# Altium PCB 1XGSH00.PcbDoc
Units mil, origin at the board's own origin, x right, y up, seen from the top; angles counter-clockwise.
Board outline 1653.54 x 2519.69 mil, 4 copper layers (Top Layer, GND, PWR, Bottom Layer), stack 30.634 mil thick; 145 components, 118 nets, 539 pads, 112 vias.
Unrouted connection lines stored in the file: 148.
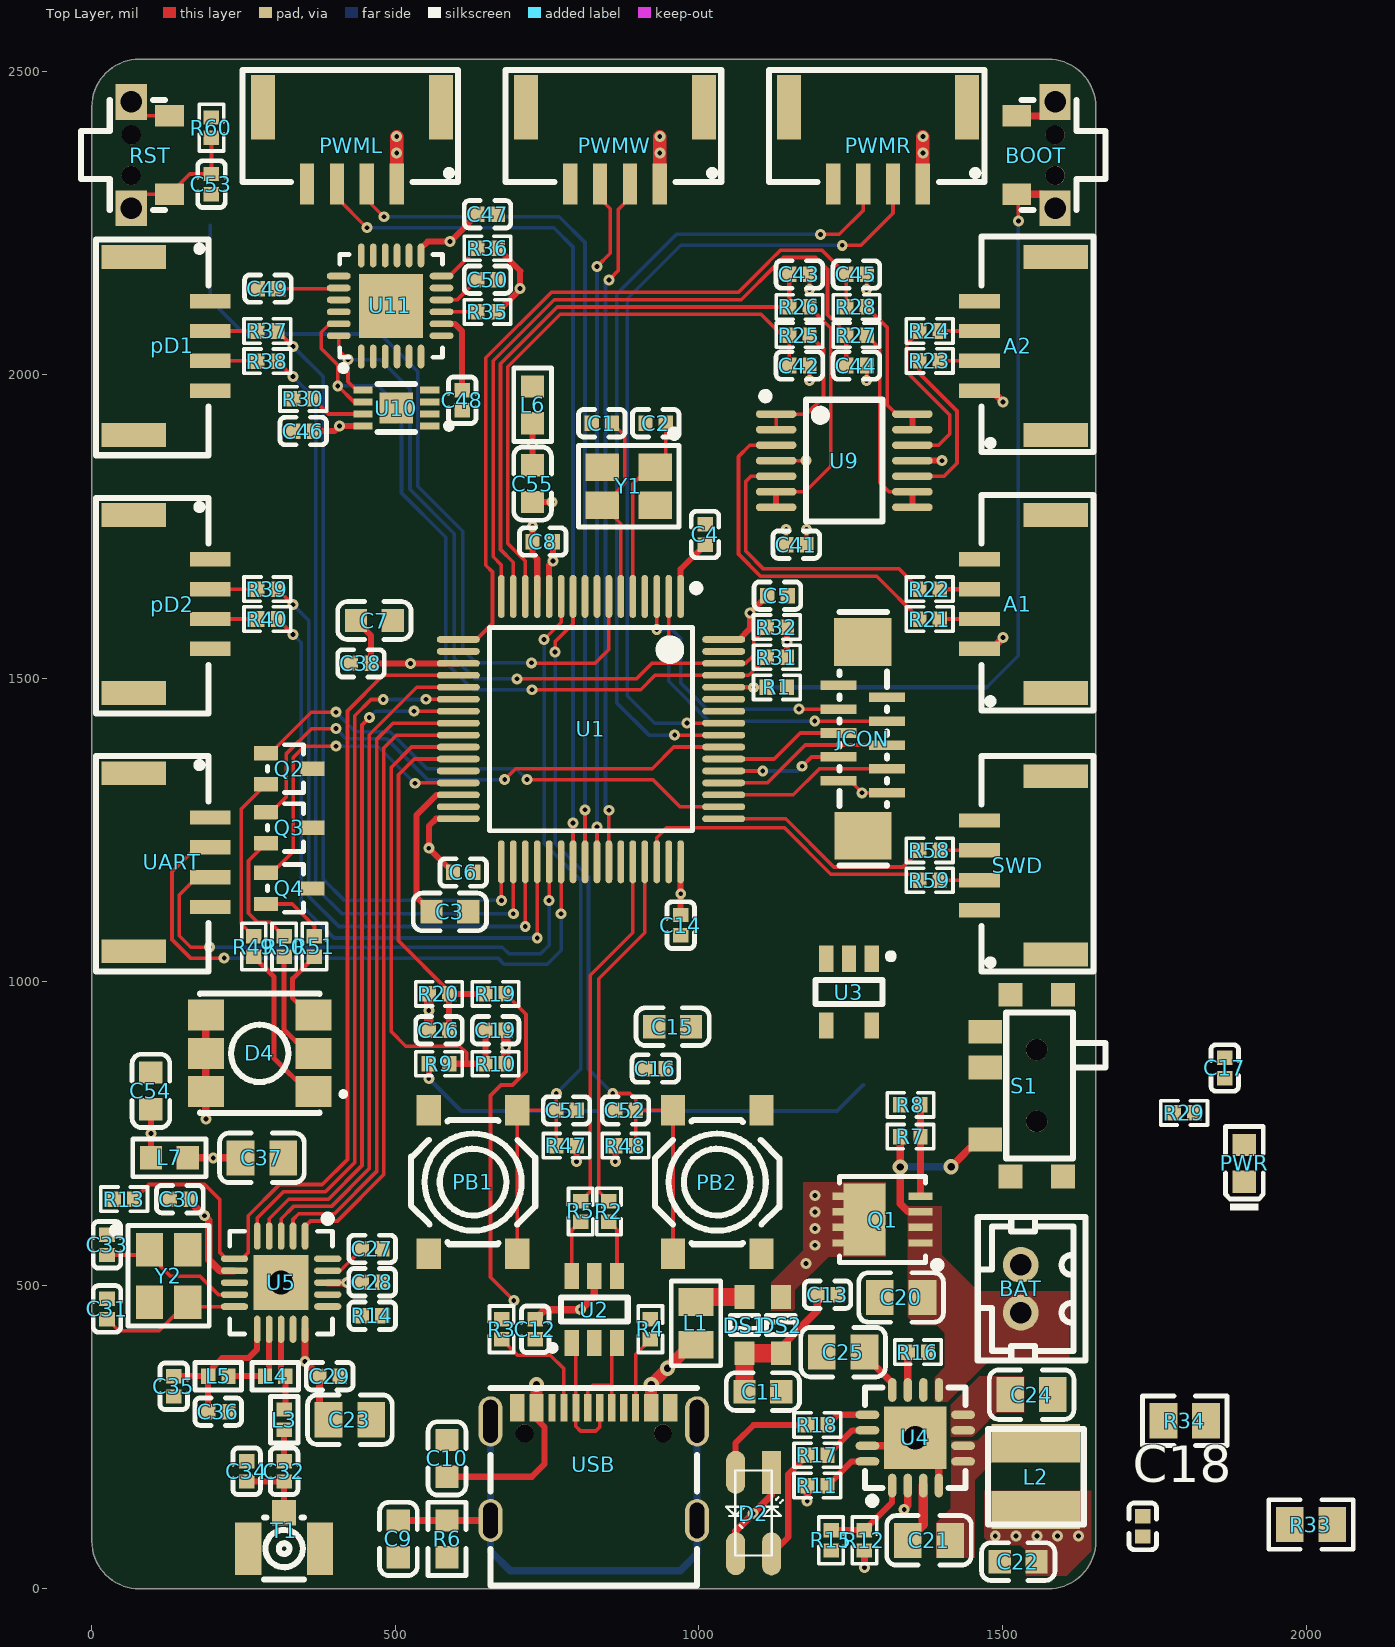
[diagram p0: Top Layer view]
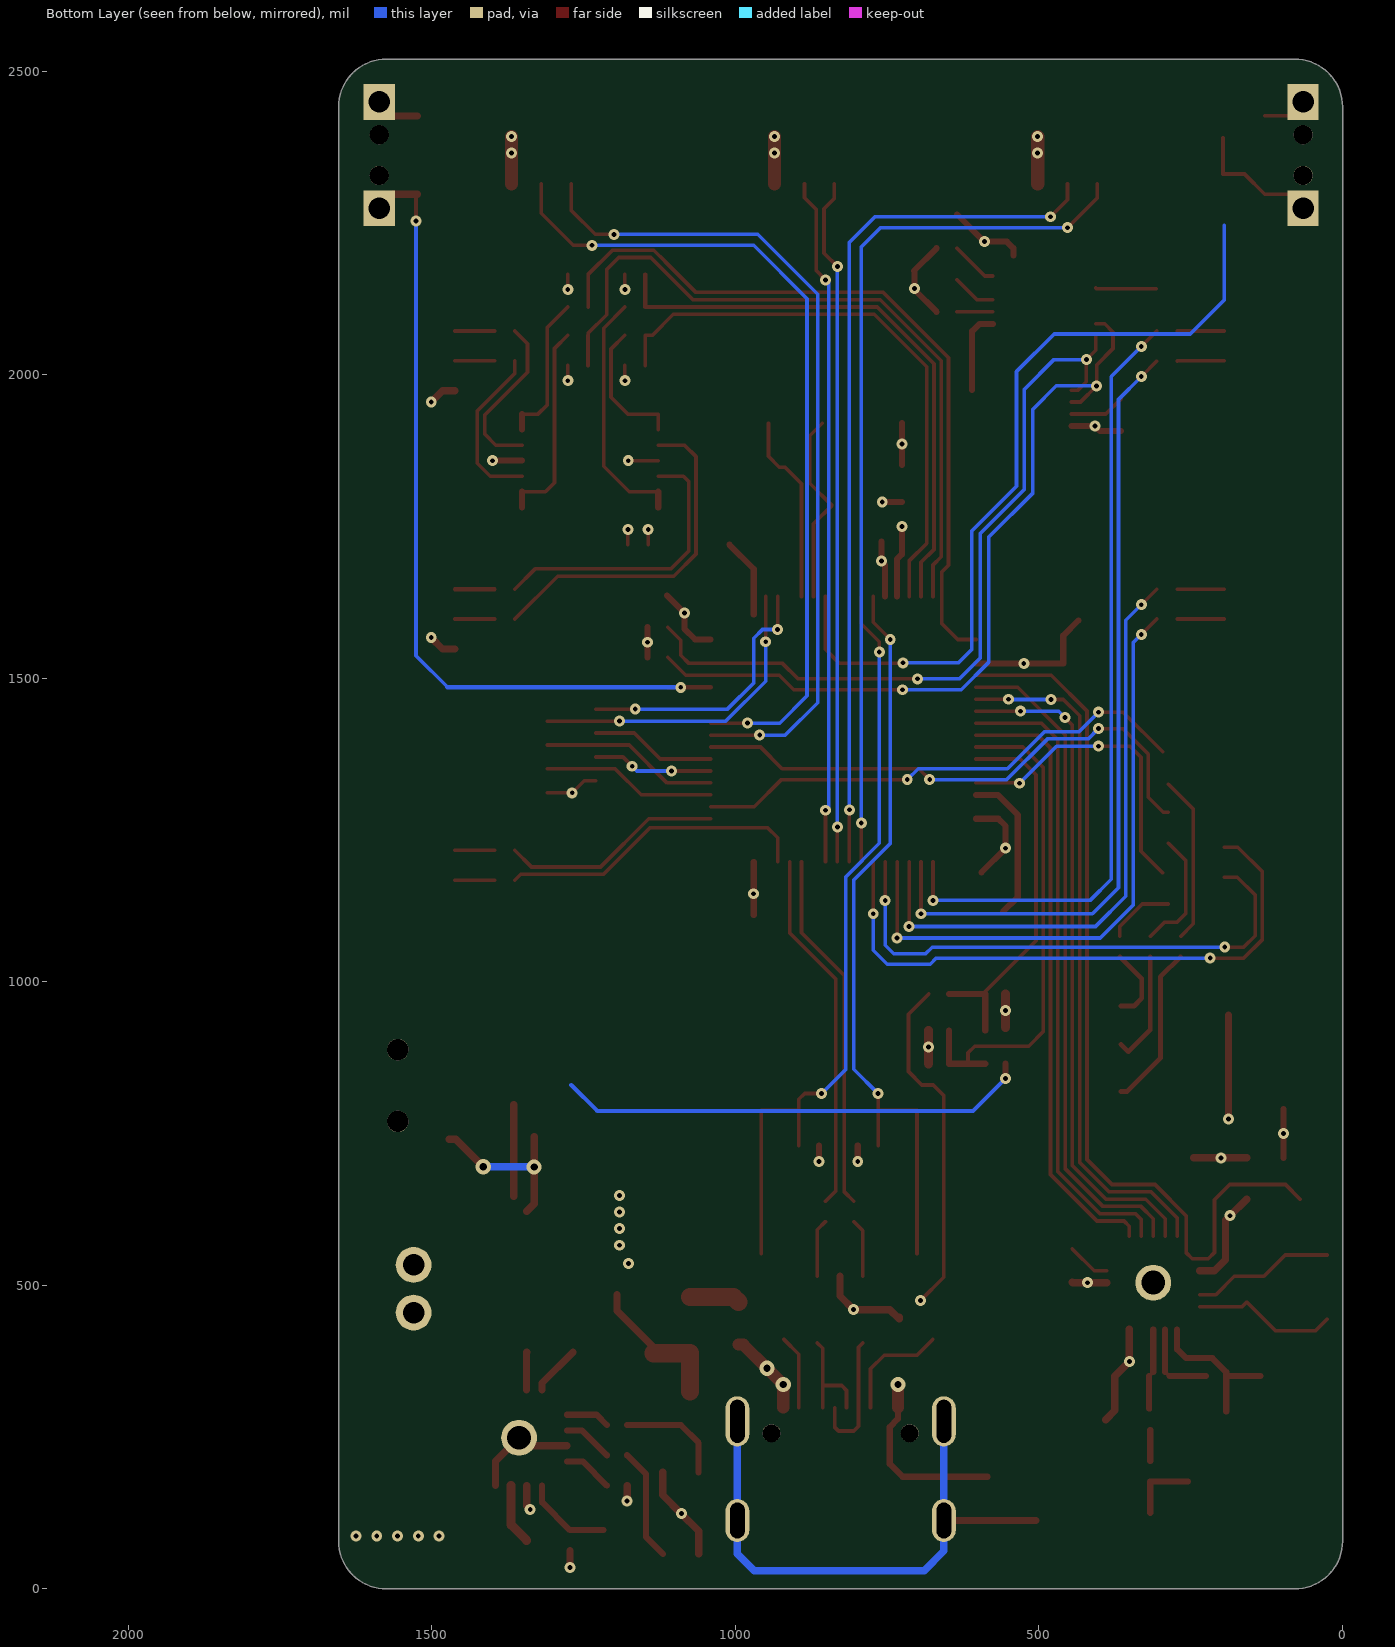
[diagram p1: Bottom Layer view, seen from below]
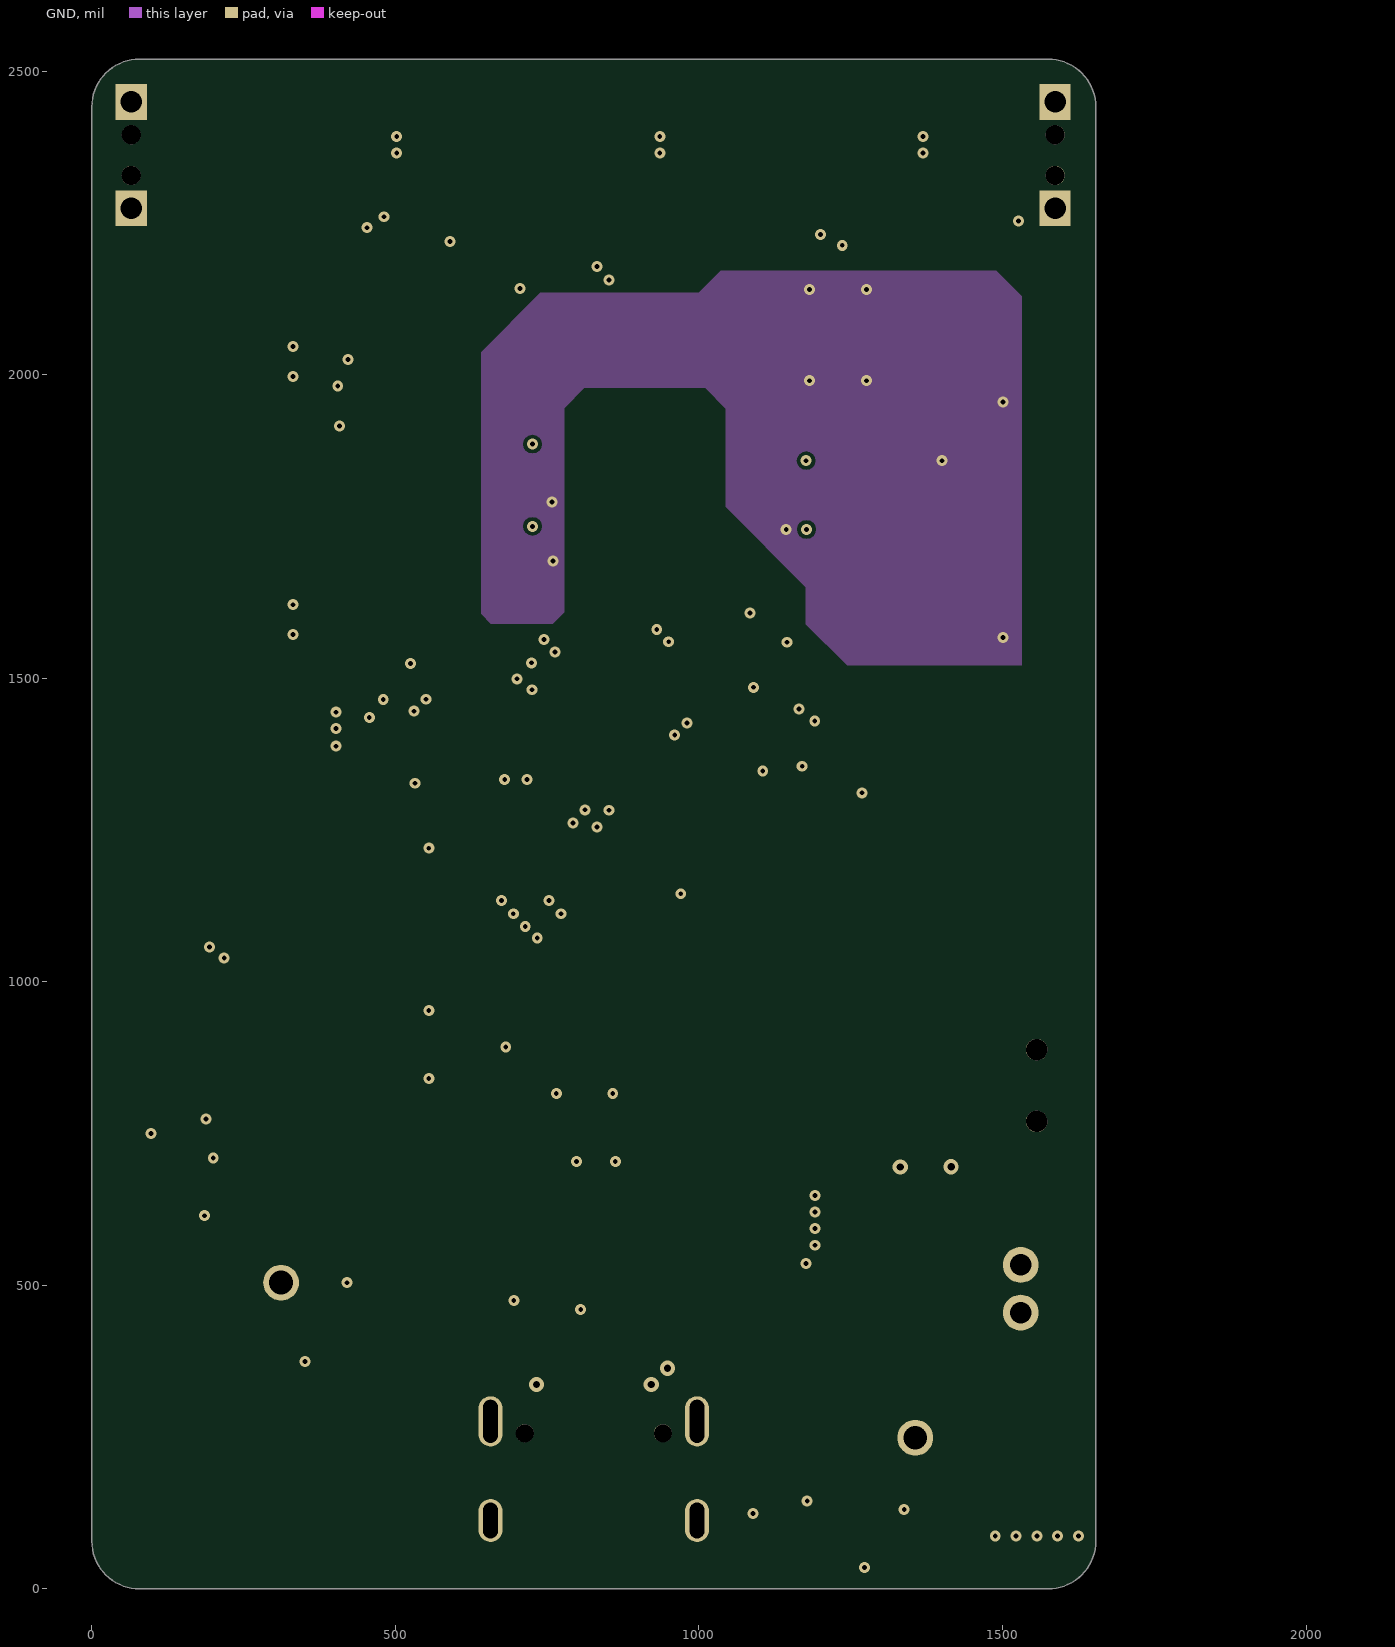
[diagram p2: GND]
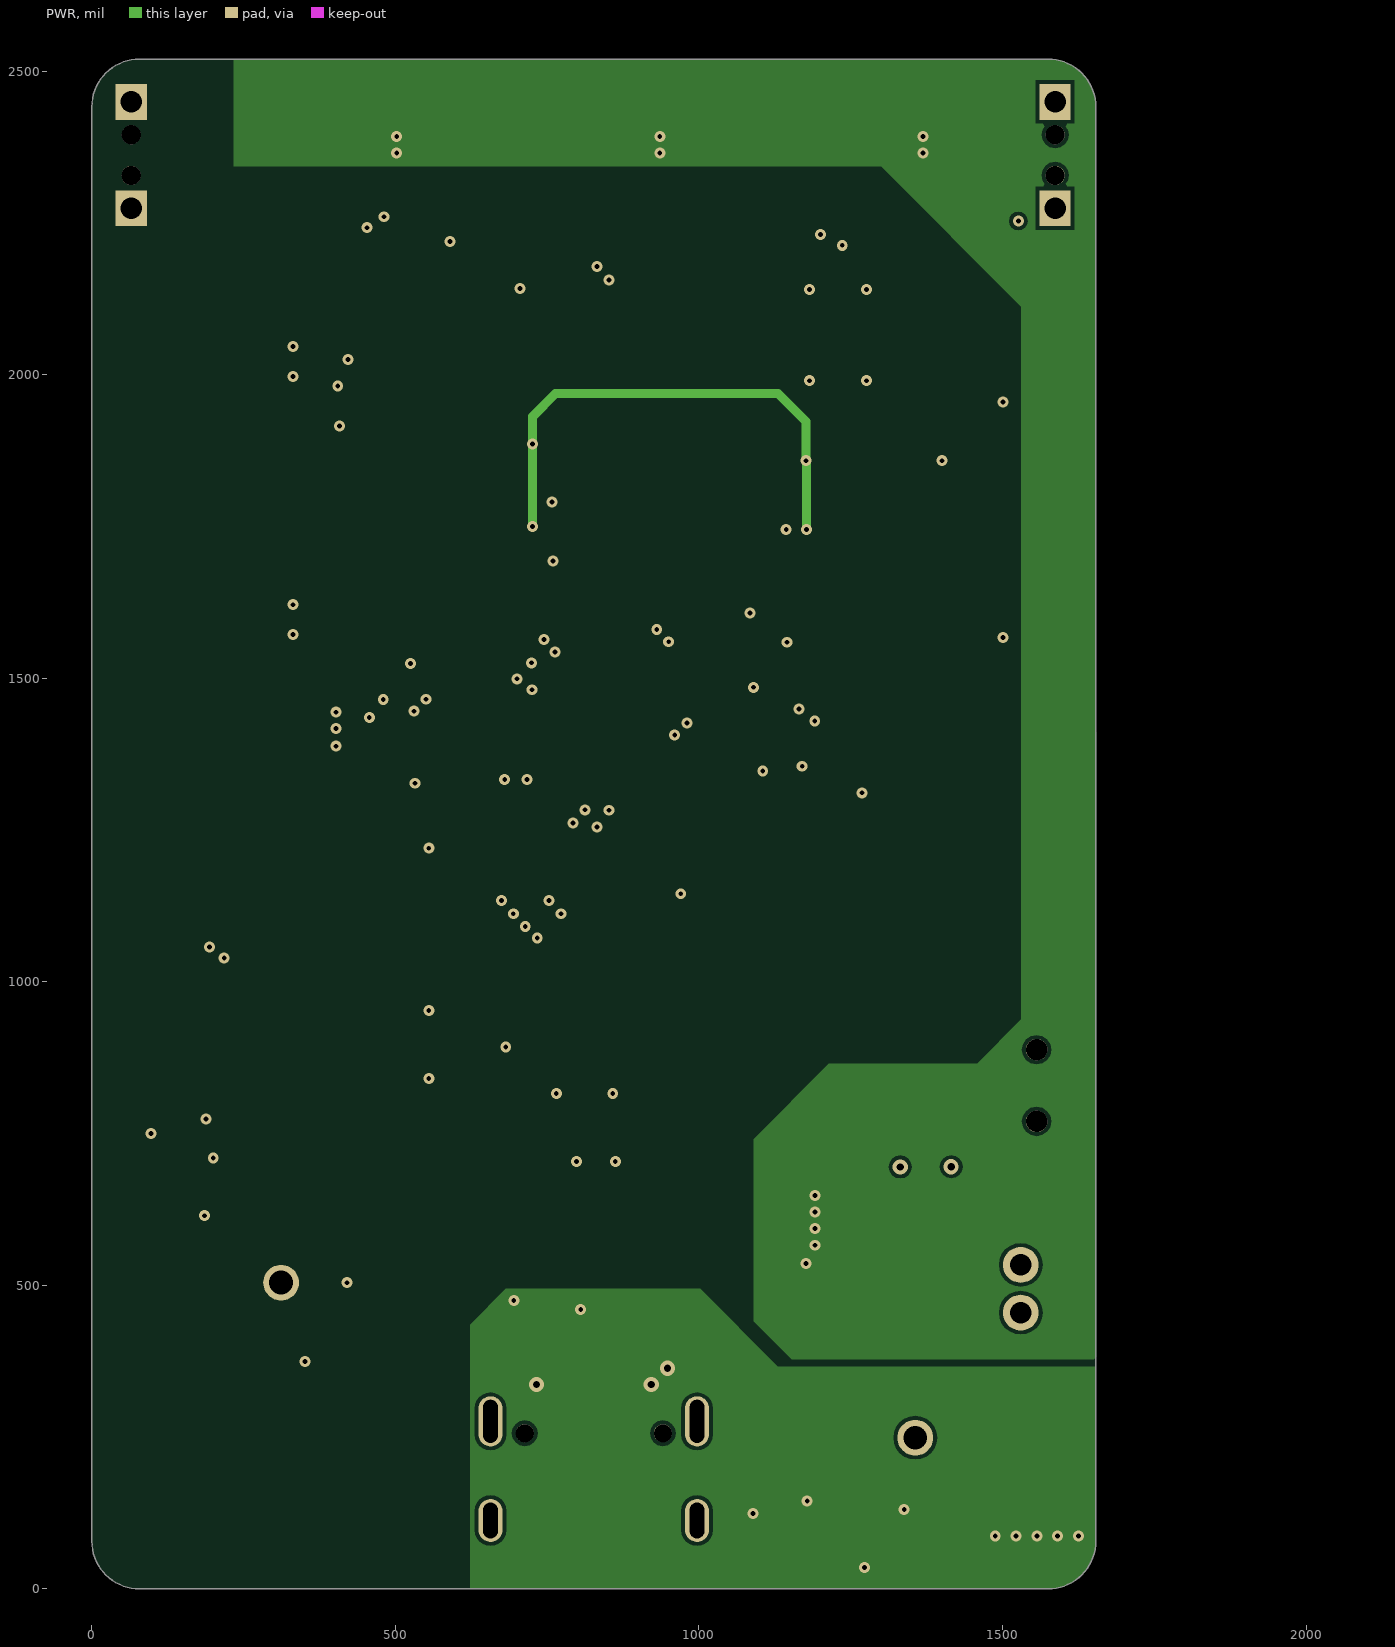
[diagram p3: PWR]
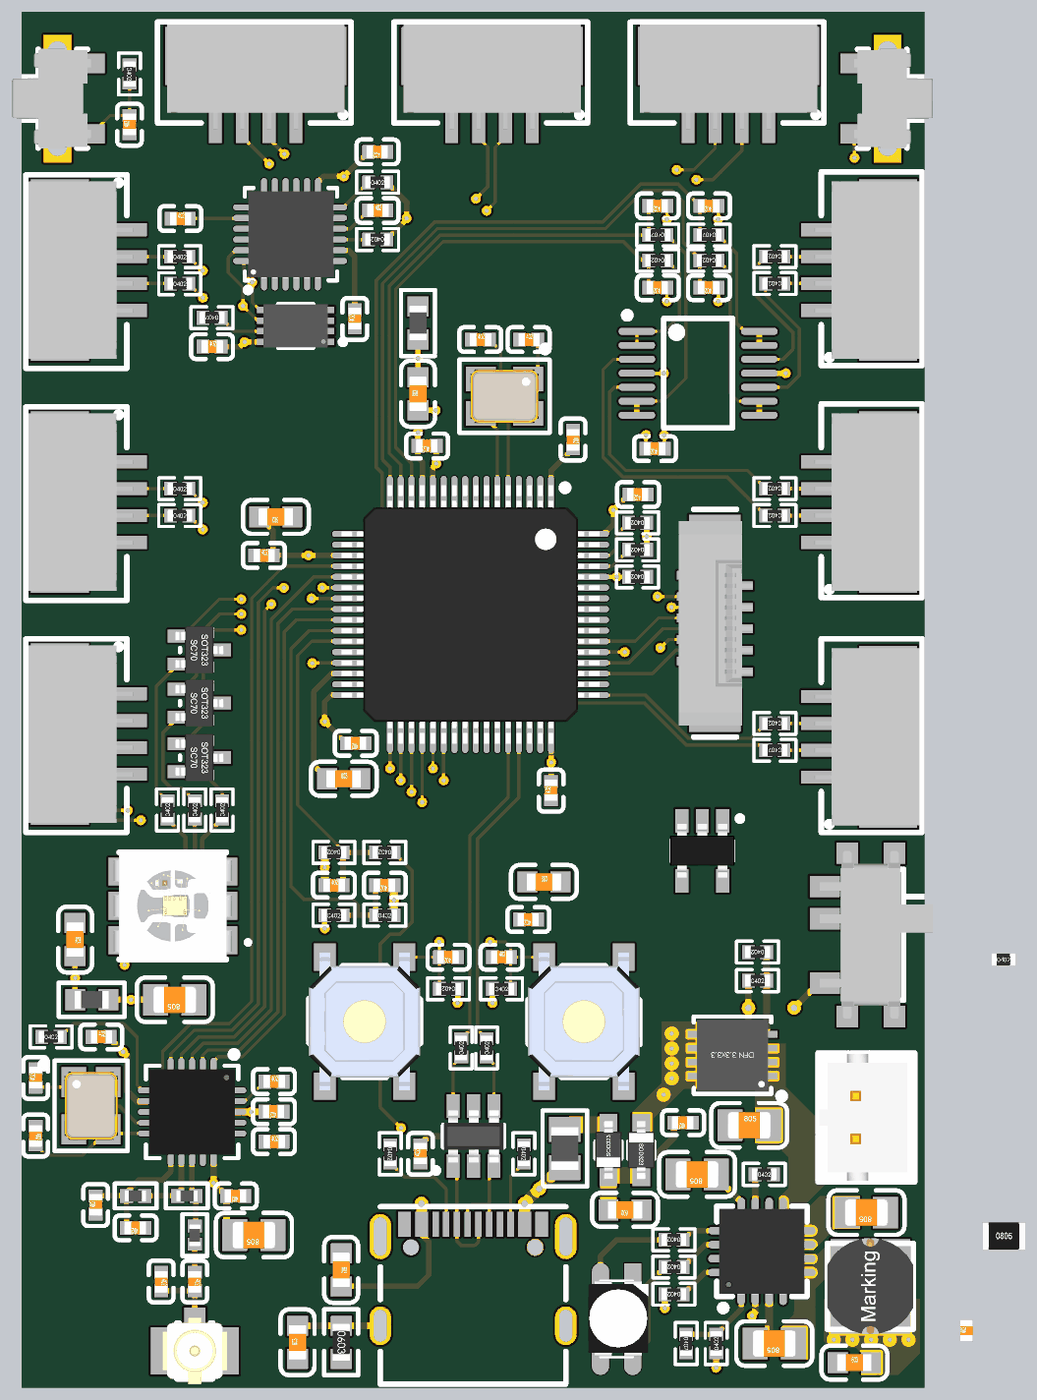
[diagram p4: 3D render of the assembled board from above, using the file's embedded part models]

## Layer stack, top to bottom
Top Solder: solder mask 0.4, Solder Resist, Dk 3.5
Top Layer: signal copper 1.4
Dielectric 1: core 10, FR-4, Dk 4.2
GND: signal copper 1.417
Dielectric 3: prepreg 5, Dk 4.2
PWR: signal copper 1.417
Dielectric 2: core 10, Dk 4.2
Bottom Layer: signal copper 1.4
Bottom Solder: solder mask 0.4, Solder Resist, Dk 3.5

## Board outline
0,78.74 ccw(c78.74,78.74) 78.74,0 1574.8,0 ccw(c1574.8,78.74) 1653.54,78.74 1653.54,2440.94 ccw(c1574.8,2440.94) 1574.8,2519.69 78.74,2519.69 78.74,2519.68 ccw(c78.74,2440.94) 0,2440.94

## Design rules (kind name [scope] priority, off if disabled: settings)
Clearance [All] p1: gap=6 ignorepadtopadclearanceinfootprint=TRUE
DiffPairsRouting [All] p1: maxlimit=10 minlimit=6 mostfreqgap=8 toplayer_minwidth=6 toplayer_maxwidth=15 toplayer_prefwidth=8 midlayer1_minwidth=6 midlayer1_maxwidth=15 midlayer1_prefwidth=8 midlayer2_minwidth=6 midlayer2_maxwidth=15 midlayer2_prefwidth=8 bottomlayer_minwidth=6 bottomlayer_maxwidth=15 bottomlayer_prefwidth=8 maxuncoupledlength=500
PolygonConnect [All] p1: connectstyle=Direct reliefconductorwidth=10 reliefentries=4 polygonreliefangle="90 Angle" airgapwidth=10
RoutingVias [All] p1: holewidth=8 width=18 viastyle="Through Hole" minholewidth=8 minwidth=18 maxholewidth=28 maxwidth=50
SolderMaskExpansion [All] p1: expansion=4
Width [All] p1: maxlimit=30 minlimit=6 preferedwidth=8
29 further rules are at their usual default settings.

## Classes and differential pairs
component class U_1XGSH00_POWER: BAT C15 C16 C17 C18 C19 C20 C37 C54 C55 L6 L7 PWR Q1 R7 R8 R9 R10 R29 R33 R34 S1 U3
component class U_1XGSH00_MOTOR: PWML PWMR PWMW
component class U_1XGSH00_MCU: BOOT C1 C2 C3 C4 C5 C6 C7 C8 C9 C10 C11 C12 C13 C14 C38 C53 DS1 DS2 L1 R1 R2 R3 R4 R5 R6 R58 R59 R60 RST SWD U1 U2 USB Y1
component class U_1XGSH00_LCD: JCON
component class U_1XGSH00_KEY_LED: C51 C52 D4 PB1 PB2 Q2 Q3 Q4 R47 R48 R49 R50 R51
component class U_1XGSH00_IMU: C47 C48 C49 C50 R35 R36 U11
component class U_1XGSH00_EEPROM: C46 R30 R31 R32 U10
component class U_1XGSH00_DIGITAL: pD1 pD2 R37 R38 R39 R40
component class U_1XGSH00_COMMUNICATION: C23 C27 C28 C29 C30 C31 C32 C33 C34 C35 C36 L3 L4 L5 R13 R14 T1 U5 Y2
component class U_1XGSH00_BATTERY: C21 C22 C24 C25 C26 D2 L2 R11 R12 R15 R16 R17 R18 R19 R20 U4
component class U_1XGSH00_ANALOG: A1 A2 C41 C42 C43 C44 C45 R21 R22 R23 R24 R25 R26 R27 R28 U9
component class 1XGSH00: UART
differential pair USBD: +USBD_P -USBD_N

## Components (designator, comment, footprint, x,y, rotation, side; value= is the part's Value field where it differs from the comment)
A1 "PH2.0-4Pin" X1251WRS-04HF-LPSW 1525,1622.05 r90 top
A2 "PH2.0-4Pin" X1251WRS-04HF-LPSW 1525,2047.24 r90 top
BAT "PH2.0" A2001WV-2P 1530,494.37 r270 top
BOOT "Push Button" SW-SMD_TS-1010B-B-A 1555.12,2361.54 r270 top
C1 "12pF" 0402_C 840,1920 r0 top
C2 "12pF" 0402_C 928.71,1920 r0 top
C3 "4.7uF/16V" 0603_C 589.68,1115 r0 top
C4 "100nF" 0402_C 1010,1736.73 r270 top
C5 "100nF" 0402_C 1129.25,1636 r180 top
C6 "100nF" 0402_C 611.73,1180 r180 top
C7 "4.7uF" 0603_C 465.32,1595 r180 top
C8 "100nF" 0402_C 742.6,1725 r180 top
C9 "12pF" 0603_C 505,82.3 r90 top
C10 "10uF" 0603_C 585,215 r270 top
C11 "10uF" 0603_C 1105.32,325 r180 top
C12 "100nF" 0402_C 730.2,427.67 r90 top
C13 "100nF" 0402_C 1211.73,484.69 r180 top
C14 "100nF" 0402_C 969.8,1093.27 r90 top
C15 "1uF/15V" 0603_C 956.63,926 r0 top
C16 "100nF/15V" 0402_C 928.27,857 r180 top
C17 "100nF/6.3V" 0402_C 1866,858 r90 top
C18 "22nF/6.3V" 0402_C 1731,103 r90 top
C19 "10nF/6.3V" 0402_C 665,920 r180 top
C20 "10uF/16V" 0805_C 1332.99,480 r0 top
C21 "100nF/16V" 0805_C 1378.9,80 r180 top
C22 "100nF/16V" 0603_C 1525.79,45 r0 top
C23 "22uF/6.3V" 0805_C 425.04,278.72 r180 top
C24 "22uF/16V" 0805_C 1547.83,320 r180 top
C25 "100nF/16V" 0805_C 1237.46,390 r180 top
C26 "100nF/16V" 0402_C 571.73,920 r0 top
C27 "100nF/6.3V" 0402_C 461.73,560 r0 top
C28 "100nF/6.3V" 0402_C 461.73,505 r180 top
C29 "100nF/6.3V" 0402_C 391.73,350.45 r180 top
C30 "100nF/6.3V" 0402_C 145,642 r0 top
C31 "12pF" 0402_C 25,461.13 r270 top
C32 "1.5pF" 0402_C 316.73,193.72 r270 top
C33 "12pF" 0402_C 25,566.73 r90 top
C34 "1pF" 0402_C 255,193.72 r270 top
C35 "2.2nF" 0402_C 135,333.72 r90 top
C36 "4.7pF" 0402_C 208.27,291.98 r180 top
C37 "10uF/6.3V" 0805_C 280.04,710 r180 top
C38 "100nF" 0402_C 443.27,1524.37 r0 top
C41 "100nF" 0402_C 1160.39,1720 r180 top
C42 "68pF" 0402_C 1165.39,2015 r180 top
C43 "68pF" 0402_C 1165.39,2165 r180 top
C44 "68pF" 0402_C 1259.33,2015 r180 top
C45 "68pF" 0402_C 1259.33,2165 r180 top
C46 "100nF" 0402_C 348.27,1907 r0 top
C47 "100nF" 0402_C 651.73,2264 r180 top
C48 "100nF" 0402_C 610,1957.8 r90 top
C49 "2.2nF/6.3V" 0402_C 290.07,2141.65 r0 top
C50 "2.2nF/6.3V" 0402_C 651.73,2156.46 r0 top
C51 "100nF/6.3V" 0402_C 781.73,788.11 r180 top
C52 "100nF/6.3V" 0402_C 878.94,788.11 r0 top
C53 "100nF/6.3V" 0402_C 197,2313.73 r90 top
C54 "10uF/6.3V" 0603_C 97.36,820.32 r270 top
C55 "10uF/6.3V" 0603_C 725.87,1820.55 r90 top
D2 "LED-G" 3528_LED 1090,125 r270 top
D4 "RGB_5050" LED_5050 276.42,882.01 r180 top
DS1 "S4" SOD-323 1075,434.54 r90 top
DS2 "S4" SOD-323 1135,434.54 r270 top
JCON "FPC Connector10" FPC-SMD_10P 1270,1400 r90 top
L1 "BLM21PG600SH1D" 0805_L 995,437.34 r90 top
L2 "2.2uH" INDUCTOR_4*4 1555,184.88 r90 top
L3 "Inductor" 0402_L 316.73,278.72 r270 top value=3.9nH
L4 "Inductor" 0402_L 302,350.45 r0 top value=8.2nH
L5 "Inductor" 0402_L 208.27,350.45 r180 top value=2.7nH
L6 "BLM18PG600SH1D" 0603_L 725.87,1950.32 r270 top
L7 "BLM18PG600SH1D" 0603_L 127.68,710 r0 top
PB1 "Push Button" SW-SMD_4P-L5.2-W5.2-P3.70-LS6.4 627.95,670 r90 top
PB2 "Push Button" SW-SMD_4P-L5.2-W5.2-P3.70-LS6.4 1030,670 r270 top
pD1 "PH2.0-4Pin" X1251WRS-04HF-LPSW 132.09,2047.24 r270 top
pD2 "PH2.0-4Pin" X1251WRS-04HF-LPSW 132.09,1622.05 r270 top
PWML "PH2.0-4Pin" X1251WRS-04HF-LPSW 428.34,2377.01 r180 top
PWMR "PH2.0-4Pin" X1251WRS-04HF-LPSW 1295,2377.01 r180 top
PWMW "PH2.0-4Pin" X1251WRS-04HF-LPSW 861.67,2377.01 r180 top
PWR "LED" 0603_LED_S1 1898.3,701.04 r90 top
Q1 "NCE20P45Q" DFN3.3*3.3 1302.4,608.39 r90 top
Q2 "DTC114EUA" SC-70(SC-70-3) 325,1351 r180 top
Q3 "DTC114EUA" SC-70(SC-70-3) 325,1253.7 r180 top
Q4 "DTC114EUA" SC-70(SC-70-3) 325,1153.7 r180 top
R1 "10K" 0402_R 1128.32,1485 r180 top value=1K
R2 "22R" 0402_R 851.69,621.73 r90 top value=1K
R3 "5.1K" 0402_R 675,427.67 r270 top value=1K
R4 "5.1K" 0402_R 920,427.67 r270 top value=1K
R5 "22R" 0402_R 805,621.73 r90 top value=1K
R6 "1M" 0603_R 585,82.3 r270 top value=1K
R7 "100K" 0402_R 1348.27,745 r0 top value=1K
R8 "10R" 0402_R 1348.27,797.36 r180 top value=1K
R9 "33K/1%" 0402_R 571.73,865 r0 top value=1K
R10 "20K/1%" 0402_R 665,865 r0 top value=1K
R11 "47K" 0402_R 1195,170.26 r180 top value=1K
R12 "10K" 0402_R 1272.52,80 r90 top value=1K
R13 "470K" 0402_R 53.27,642 r0 top value=1K
R14 "22K" 0402_C 461.73,450 r0 top value=1K
R15 "10K" 0402_R 1217.52,80 r270 top value=1K
R16 "3.3K/1%" 0402_R 1360.59,390 r0 top value=1K
R17 "1K" 0402_R 1195,220.13 r180 top
R18 "1K" 0402_R 1195,270 r180 top
R19 "10K/1%" 0402_R 665,980 r180 top value=1K
R20 "10K/1%" 0402_R 571.73,980 r180 top value=1K
R21 "100R" 0402_R 1380,1597.44 r180 top value=1K
R22 "100R" 0402_R 1380,1646.65 r180 top value=1K
R23 "100R" 0402_R 1380,2022.64 r180 top value=1K
R24 "100R" 0402_R 1380,2071.85 r180 top value=1K
R25 "100R" 0402_R 1165.39,2065 r180 top value=1K
R26 "100R" 0402_R 1165.39,2111.43 r180 top value=1K
R27 "100R" 0402_R 1259.33,2065 r180 top value=1K
R28 "100R" 0402_R 1259.33,2111.43 r180 top value=1K
R29 "470R" 0402_R 1799.1,784 r0 top value=1K
R30 "10K" 0402_R 348.27,1960 r180 top value=1K
R31 "4.7K" 0402_R 1128.32,1534.5 r180 top value=1K
R32 "4.7K" 0402_R 1128.32,1584 r180 top value=1K
R33 "0R" 0805_R 2008,106 r0 top value=1K
R34 "0R" 0805_R 1800,277 r0 top value=1K
R35 "10K" 0402_R 651.73,2103.35 r180 top value=1K
R36 "10K" 0402_R 651.73,2208.19 r0 top value=1K
R37 "33R" 0402_R 289.13,2071.85 r0 top value=1K
R38 "33R" 0402_R 289.13,2022.24 r0 top value=1K
R39 "33R" 0402_R 289.13,1646.65 r0 top value=1K
R40 "33R" 0402_R 289.13,1597.48 r0 top value=1K
R47 "10K" 0402_R 781.73,730 r180 top value=1K
R48 "10K" 0402_R 878.94,730 r0 top value=1K
R49 "100R" 0402_R 266.69,1057.98 r90 top value=1K
R50 "100R" 0402_R 316.69,1057.98 r90 top value=1K
R51 "100R" 0402_R 366.69,1057.98 r90 top value=1K
R58 "33R" 0402_R 1380,1216.46 r180 top value=1K
R59 "33R" 0402_R 1380,1167.25 r180 top value=1K
R60 "10K" 0402_R 197,2406.73 r270 top value=1K
RST "Push Button" SW-SMD_TS-1010B-B-A 96.5,2361.53 r90 top
S1 "SK-3296S-01-L1" SW-SMD_3P-SK-3296S-01-L1 1535.43,829.05 r90 top
SWD "PH2.0-4Pin" X1251WRS-04HF-LPSW 1525,1191.85 r90 top
T1 "Antenna" IPEX1-K501-29 316.73,95.92 r0 top
U1 "STM32F411RET6" LQFP-64_10x10x05P 822.17,1416.1 r180 top
U2 "USBLC6-2SC6" SOT-23-6 825.2,460.24 r90 top
U3 "SPX3819M5-L-3-3/TR" SOT-23-5 1247,983 r270 top
U4 "SLM6800" QFN-16_L4.0-W4.0-P0.65-LS4.2-BL-EP 1356.26,249 r0 top
U5 "Si24R1" QFN-20_4x4x05P 311.77,504.37 r180 top
U9 "TLV2374IPWR" TSSOP-14 1239.33,1858.23 r270 top
U10 "M24C32" UDFN-8L 501.46,1945 r90 top
U11 "IMU MPU6050" QFN-24_4x4x05P 492.95,2113.19 r0 top
UART "PH2.0-4Pin" X1251WRS-04HF-LPSW 132.09,1196.85 r270 top
USB "USB TypeC" "USB_TypeC_16Pin (2.0)" 836.69,170 r0 top
Y1 "8.000MHz" SMD-3225_4P 884.35,1811.1 r180 top
Y2 "16MHz" SMD-3225_4P 131.5,515.68 r270 top
